# Altium PCB BB.PcbDoc (part 5 of 5)
Units mil, origin at the board's own origin, x right, y up, seen from the top; angles counter-clockwise.
Board outline 6700 x 3500 mil, 4 copper layers (Component Side, Ground Plane, Power Plane, Solder Side), stack 61.197 mil thick; 420 components, 358 nets, 1634 pads, 962 vias.
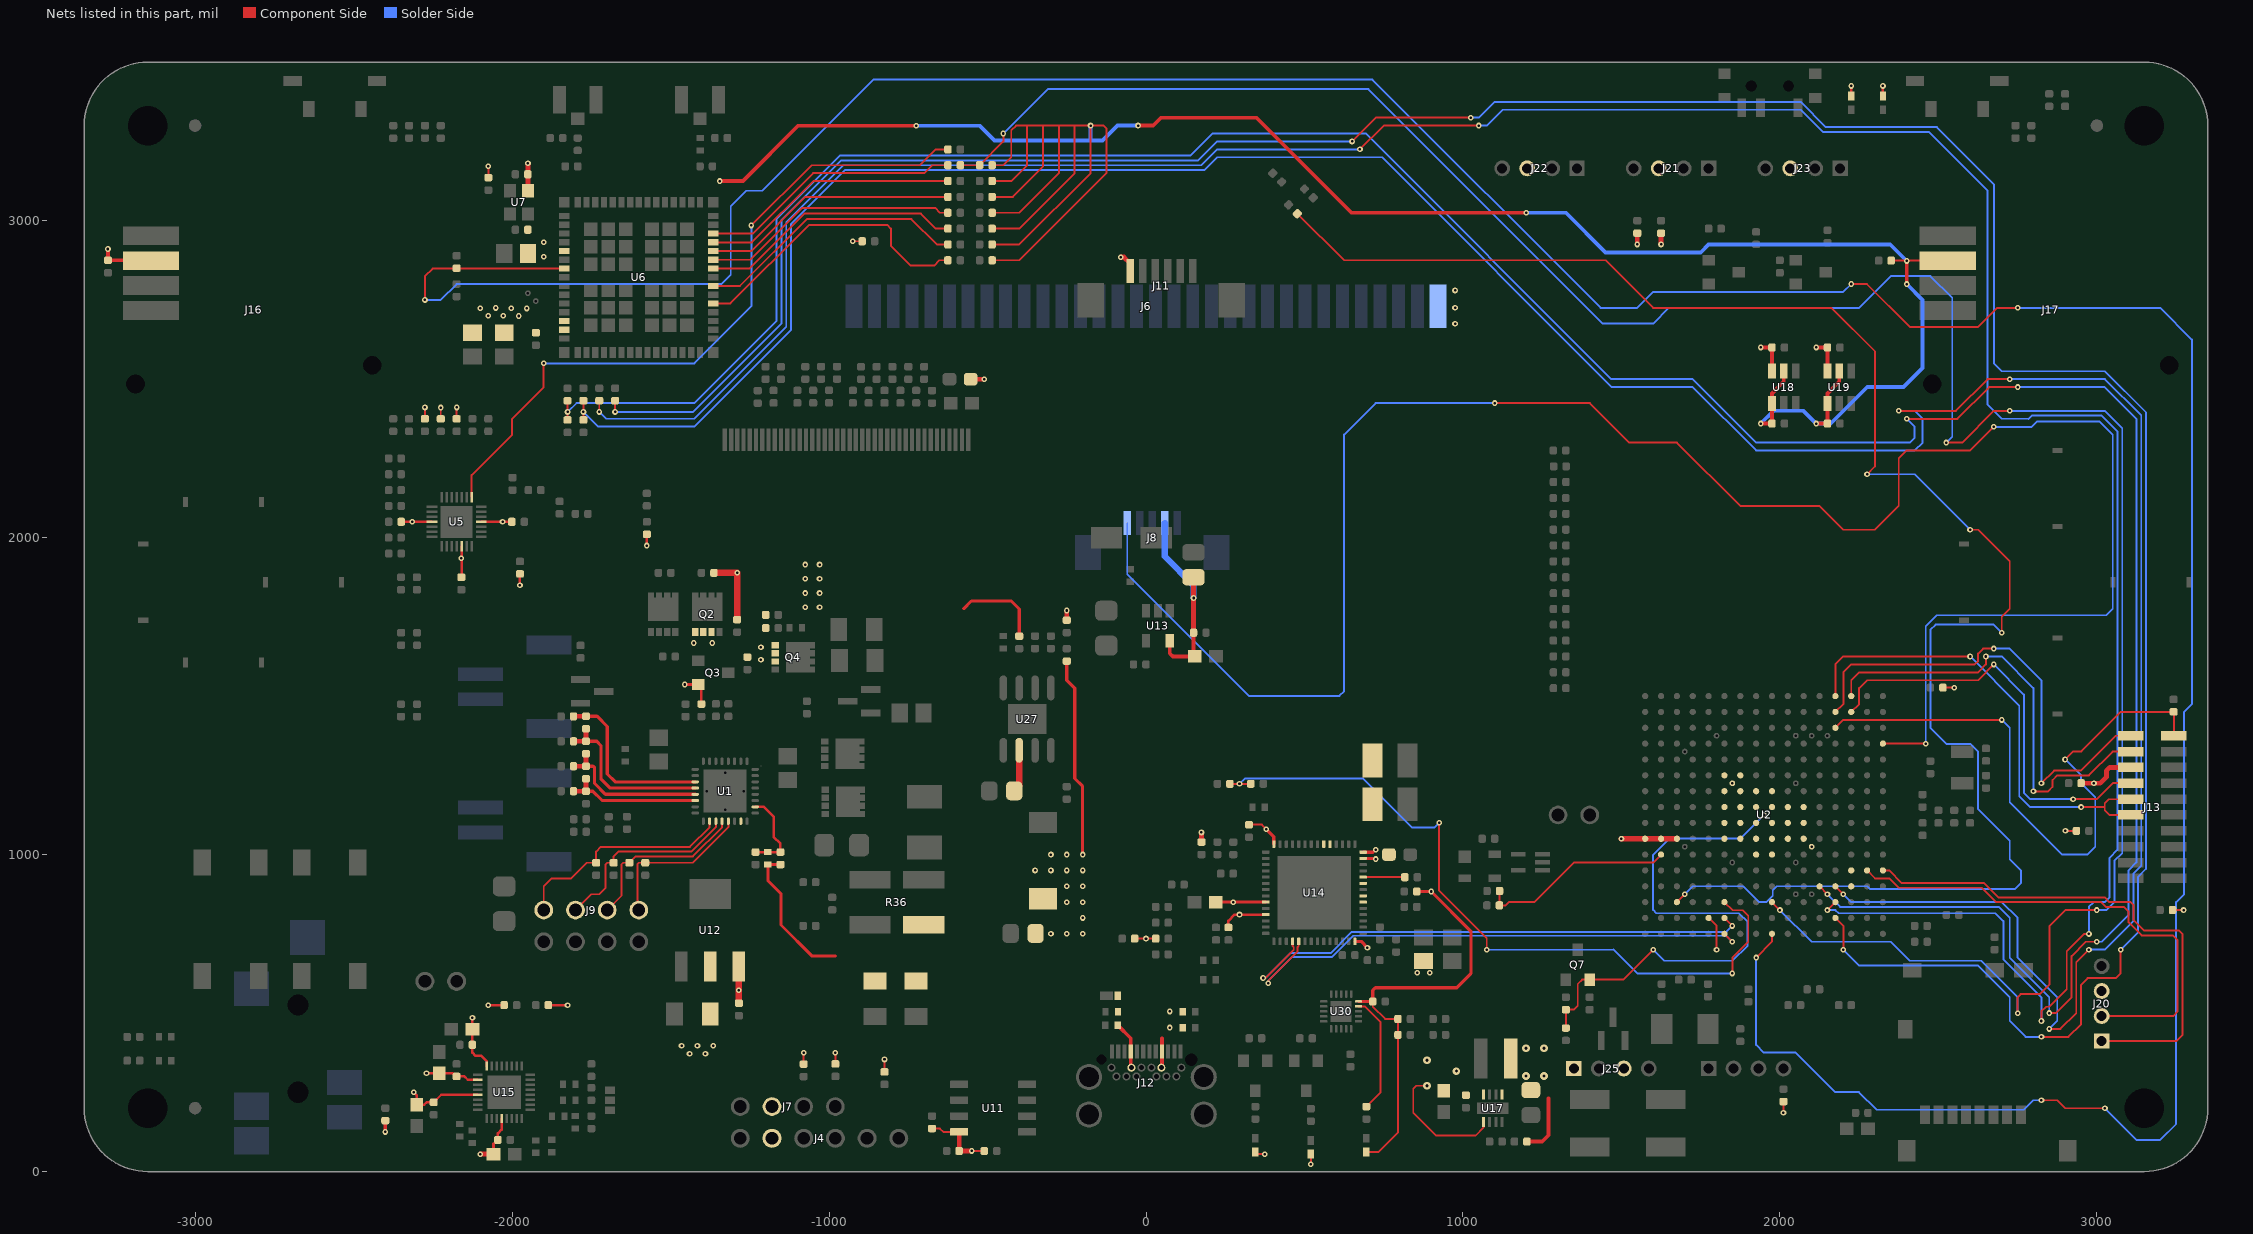
[diagram p7: the nets of this part, all layers, seen from the top]

## Via types
v1: diameter 18, hole 8, Component Side to Solder Side, tented both sides, 907 vias
v2: diameter 19.68, hole 8, Component Side to Solder Side, 32 vias
v3: diameter 24, hole 10, Component Side to Solder Side, tented both sides, 9 vias
v4: diameter 18, hole 8, Component Side to Solder Side, 6 vias
v5: diameter 19.68, hole 7.87, Component Side to Solder Side, 4 vias
v6: diameter 19.68, hole 8, Component Side to Solder Side, tented both sides, 4 vias

## Nets (pads, with @x,y where several pads share a name; then routed paths per layer and width w, separated by ;. In a path a pad name is that pad's centre, name@x,y a point inside that pad or via, vN(x,y) a via of type N, cw(c..) or ccw(c..) an arc to the next point about the centre after c; other vN are vias at no path point) (continued)
SYS_VDD3_3P3V: Q7.2 R46.2 R47.2 T10.1 U2.F8 U2.F9 U2.G8 U2.H7 U2.H8 U2.H9 U2.J7 U2.J8 U2.J9 U2.K8 U2.K9 U2.L8 U2.L9 | length 1748.6
  Component Side w6: R47.2@1324.66,452.83 R46.2@1324.66,510.63 1350.14,510.63 1362.26,522.76 1362.26,591.7 1375.88,605.32 Q7.2@1399.66,605.32 1505.32,605.32 v1(1600,700)
  Solder Side w6: v1(1600,700) 1635,665 1850,665 1897.76,712.76 1897.76,787.44 1870.2,815 1610,815 1599.8,825.2 1599.8,999.21 1650.93,1050.33 1875.33,1050.33 T10.1@1950,1125
SYS_VDD_1P8V: T16.1 U2.F10 U2.G9 U2.G10 U2.H10 U2.H11 U2.J10 U2.J11 U2.K10 U2.L10
SYS_VOUT: T6.1 U2.K6 U2.K7 U2.L6 U2.L7
SYSPRES: U1.15
TCK: J13.9 J13.11 U2.D1 | length 1507.7
  Component Side w6: U2.D1@2175,1500 2175,1600.34 2199.67,1625 v1(2599.9,1625) ; v1(2950,1150) 3025,1150 ; J13.11@3100,1124.67 3040.33,1124.67 3025,1140 3025,1150 ; J13.9@3100,1174.67 3038.13,1174.67 3025,1161.54 3025,1150
  Solder Side w6: v1(2599.9,1625) 2755,1469.9 2755,1184.73 2789.73,1150 v1(2950,1150)
TDI: J13.3 U2.C1 | length 1409
  Component Side w6: U2.C1@2225,1500 2225,1550 2250,1575 2625,1575 2650,1600 v1(2650,1625) ; v1(2800,1199.67) 2846.27,1199.67 2860,1213.39 2860,1235 2875,1250 2975,1250 3049.67,1324.67 J13.3@3107.09,1324.67
  Solder Side w6: v1(2650,1625) 2700,1625 2800,1525 v1(2800,1199.67)
TDO: J13.7 U2.C2 | length 1345.7
  Component Side w6: U2.C2@2225,1450 2250,1475 2250,1525 2275,1550 2625,1550 v1(2675,1600) ; v1(2925,1175) 2999.33,1175 2999.67,1174.67 3050.33,1225.33 3099.33,1225.33 J13.7@3100,1224.67
  Solder Side w6: v1(2675,1600) 2770,1505 2770,1195 2790.33,1174.67 2790.67,1175 v1(2925,1175)
TMS: J13.1 U2.D2 | length 1515.9
  Component Side w6: U2.D2@2175,1450 2200,1475 2200,1575.1 2224.9,1600 2614.37,1600 2625,1610.63 2625,1634.07 2640.93,1650 v1(2675,1650) ; v1(2825,1225) 2865,1265 2949.67,1265 3059.67,1375 J13.1@3107.09,1375
  Solder Side w6: v1(2675,1650) 2725,1650 2825,1550 v1(2825,1225)
TOUCH_INT_N: R127.1 U5.22 | length 2220.7
  Component Side w6: U5.22@-2127.76,2127.76 -2127.76,2197.24 -2000,2325 -2000,2375 -1900.26,2474.74 v1(-1900.26,2550) ; v1(-1245,2985) -1055,3175 -713.21,3175 -663.31,3224.9 R127.1@-625,3224.9
  Solder Side w6: v1(-1900.26,2550) -1425,2550 -1245,2730 v1(-1245,2985)
TOUCH_PAD_INT: J8.5 U2.A4 | length 6367.7
  Component Side w6: v1(1100,2424.67) 1400.33,2424.67 1525.15,2299.85 1675.23,2299.85 1875.08,2100 2124.67,2100 2199.67,2025 2299.59,2025 2375,2100.41 2375,2250 2400,2275 2600.39,2275 v1(2675,2349.61) ; U2.A4@2325,1350 v1@2460,1350
  Solder Side w6: J8.5@-59.06,2046.26 -59.06,1884.13 324.69,1500.39 610.39,1500.39 625,1515 625,2325 724.67,2424.67 v1(1100,2424.67) ; v1(2460,1349.67) 2460,1719.83 2495.17,1755 3030,1755 3050,1775 3050,2325 3008,2367 2812,2367 2794.61,2349.61 v1(2675,2349.61)
TOUCH_RESET_N: R126.1 U2.P14 | length 5571.6
  Component Side w6: R126.1@477.64,3022.16 624.8,2875 1450,2875 1600,2725 2162.64,2725 2300,2587.64 2300,2225 v1(2275,2200) ; U2.P14@1675,850 v1(1700,875) ; v1(2600,2025) 2625,2025 2725,1925 2725,1776.05 2700,1751.05 v1(2700,1700)
  Solder Side w6: v1(1700,875) 1725,900 1885,900 1934.8,850.2 1957.12,850.2 1977.55,870.62 1977.55,887.55 1990,900 2275.02,900 2283.29,891.73 2741.73,891.73 2760,910 2760,950 2725,985 2725,1043.11 2625,1143.11 2625,1324.67 2600.24,1349.43 2525.24,1349.43 2475,1399.67 2475,1709.83 2490.92,1725.75 2674.25,1725.75 v1(2700,1700) ; v1(2275,2200) 2425,2200 v1(2600,2025)
TRSTN: J13.2 R183.1 U2.D3 | length 1948.1
  Component Side w6: U2.D3@2174.67,1400 2199.43,1424.76 v1(2700,1424.76) ; v1(2899.67,1300.02) 2924.98,1325.33 2951,1325.33 3076,1450.33 R183.1@3242.09,1450.33 ; J13.2@3242.91,1375 R183.1@3242.91,1449.51
  Solder Side w6: v1(2700,1424.76) 2725,1399.76 2725,1165 2890,1000 2970,1000 2995,1025 2995,1180.37 2950.03,1225.33 2950.03,1249.65 v1(2899.67,1300.02)
TS1: J9.1 R38.1 U1.10 | length 715.1
  Component Side w6: J9.1@-1900,825 -1900,900 -1875,925 -1814.06,925 -1764.8,974.25 R38.1@-1734.8,974.25 -1734.8,1009.25 -1719.8,1024.25 -1438.82,1024.25 -1376.89,1086.18 U1.10@-1376.89,1105.51
TS2: J9.2 R39.1 U1.11 | length 625.4
  Component Side w6: J9.2@-1800,825 -1750,875 -1725,875 -1704.8,895.2 -1704.8,969.25 -1699.8,974.25 R39.1@-1679.8,974.25 -1679.8,994.25 -1664.8,1009.25 -1434.13,1009.25 -1357.2,1086.18 U1.11@-1357.2,1105.51
TS3: J9.3 R40.1 U1.12 | length 548
  Component Side w6: J9.3@-1700,825 -1654.8,870.2 -1654.8,969.25 -1649.8,974.25 R40.1@-1629.8,974.25 -1609.8,994.25 -1429.45,994.25 -1337.52,1086.18 U1.12@-1337.52,1105.51
TS4: J9.4 R41.1 U1.13 | length 474.7
  Component Side w6: J9.4@-1604.8,849.25 -1604.8,969.25 -1599.8,974.25 R41.1@-1579.8,974.25 -1429.76,974.25 -1370.35,1033.66 -1317.83,1086.18 U1.13@-1317.83,1105.51
UART0_CTSN: U2.C12
UART0_RTSN: U2.C13
UART0_RX: J20.1 U2.A12 | length 1637.6
  Component Side w6: U2.A12@2325,950 2345,950 2385,910 2644.61,910 2689.61,865 3024.76,865 3039.68,850.08 3106.38,850.08 3115.04,841.42 3115.04,794.94 3149.98,760 3260,760 3270,750 3270,430 3251.89,411.89 J20.1@3015,411.89
UART0_TX: J20.2 U2.B12 | length 1562.1
  Component Side w6: U2.B12@2275,950 2300,925 2345.35,925 2375,895.35 2636.61,895.35 2681.89,850.08 3013.46,850.08 3028.54,835 3085.39,835 3100,820.39 3100,786.26 3141.26,745 3240,745 3255,730 3255,505 3240.63,490.63 J20.2@3015,490.63
UART3_CTSN: R72.1 R77.2 U2.E13 | length 9174.9
  Component Side w6: R77.2@-1825,2371.44 v1(-1825,2396.44) R72.1@-1825,2432.07 ; U2.E13@2125,900 v1(2150,875) ; v1(2400,2374.69) 2559.69,2374.69 2660,2475 v1(2750,2475) ; v1(2849.67,500) 2870.63,500 2920,549.37 2920,680 2965,725 v1(3000,725)
  Solder Side w6: v1(-1825,2396.44) -1796.77,2424.67 -1425.33,2424.67 -1165.2,2684.8 -1165.2,3005.97 -966.16,3205 140,3205 210.26,3275.26 693.03,3275.26 1468.28,2500 1725,2500 1925.15,2299.85 2410,2299.85 2425.08,2314.93 2425.08,2349.61 v1(2400,2374.69) ; v1(2150,875) 2190,835 2690,835 2725,800 2725,675 2849.67,550.33 v1(2849.67,500) ; v1(2750,2475) 3025,2475 3125,2375 3125,975.37 3100,950.37 3100,810.12 3014.88,725 v1(3000,725)
UART3_RTSN: R73.1 R78.2 U2.D13 | length 9394.9
  Component Side w6: R78.2@-1775,2371.44 v1(-1775,2396.44) R73.1@-1775,2432.07 ; U2.D13@2175,900 v1(2200,875) ; v1(2375,2400) 2555,2400 2655,2500 v1(2725,2500) ; v1(2849.67,450) 2885,450 2935,500 2935,660 v1(2975,700)
  Solder Side w6: v1(-1775,2396.44) -1728.56,2350 -1425,2350 -1120.2,2654.8 -1120.2,2989.14 -949.34,3160 185,3160 225,3200 745,3200 1470,2475 1724.85,2475 1924.85,2275 2425.08,2275 2450,2299.92 2450,2375 2425,2400 v1(2375,2400) ; v1(2200,875) 2224.92,850.08 2700,850.08 ; 2700,850 2750,800 2750,675 2875,550 2875,475.33 v1(2849.67,450) ; v1(2725,2500) 3025.33,2500 3140,2385.33 3140,964.95 3115,939.95 3115,790 3025,700 v1(2975,700)
UART3_RXD: R71.1 U2.D14 | length 9220.7
  Component Side w6: v1(-1725,2396.44) R71.1@-1725,2432.07 ; v1(675,3224.9) 750.1,3300 v1(1050,3300) ; v1(2150,825) U2.D14@2175,850 ; v1(2825,475) 2825,505 2840,520 2850.16,520 2905,574.84 2905,695 2959.55,749.55 v1(2974.9,749.55)
  Solder Side w6: v1(-1725,2396.44) -1703.56,2375 -1425,2375 -1135,2665 -1135,2995.46 -955.46,3175 175,3175 224.9,3224.9 v1(675,3224.9) ; v1(1050,3300) 1075,3300 1125,3350 2065,3350 2135,3280 2469.9,3280 2655,3094.9 2655,2420 2700,2375 2784.37,2375 2784.69,2374.69 2795,2385 3015.02,2385 3065,2335.02 3065,1015 3040,990 3040,865 3025.2,850.2 2990.2,850.2 2974.9,834.9 v1(2974.9,749.55) ; v1(2150,825) 2175,825 2185,815 2680,815 2705,790 2705,670 2825,550 v1(2825,475)
UART3_TXD: R70.1 U2.D15 | length 9301.1
  Component Side w6: v1(-1675,2396.44) R70.1@-1675,2432.07 ; v1(650,3250) 725,3325 v1(1025,3325) ; U2.D15@2175,800 2200,775 v1(2200,700) ; v1(2825,425) 2910,425 2950,465 2950,589.21 2970.79,610 3060,610 3075.16,625.16 v1(3075.16,700)
  Solder Side w6: v1(-1675,2396.44) -1428.76,2396.44 -1150.2,2675 -1150.2,3001.15 -961.34,3190 165,3190 225,3250 v1(650,3250) ; v1(1025,3325) 1050,3325 1100,3375 2065,3375 2145,3295 2495,3295 2675,3115 2675,2550 2700,2525 3025.33,2525 3155,2395.33 3155,955 3130,930 3130,754.84 v1(3075.16,700) ; v1(2200,700) 2250,650 2625,650 2725,550 2725,475 2775,425 v1(2825,425)
USB_2P0_N: U2.L16 U14.5 | length 1745.8
  Component Side w6: v4(385.54,594.39) 385.54,602.17 478.2,694.83 478.2,707.91 482.05,711.75 U14.5@482.05,726.06 ; U2.L16@1825,750 v1(1850,725)
  Solder Side w6: v4(385.54,594.39) 385.54,602.17 460.86,677.49 587.49,677.49 654,744 1831,744 v1(1850,725)
USB_2P0_P: U2.L15 U14.4 | length 1745.8
  Component Side w6: v4(369.28,610.66) 377.06,610.66 466.2,699.8 466.2,707.91 462.36,711.75 U14.4@462.36,726.06 ; U2.L15@1825,800 v1(1850,775)
  Solder Side w6: v4(369.28,610.66) 377.06,610.66 452.37,685.97 455.89,689.49 582.52,689.49 643.22,750.19 649.03,756 1831,756 v1(1850,775)
USB_3V3: C96.2 C101.2 C125.2 J4.2 J7.2 LED14.1 R42.1 R43.1 R54.2 R58.1 R59.1 R138.1 R139.1 R147.1 R150.1 R155.2 R157.1 R158.1 U11.8 U14.42 U14.51 U30.10 | length 2075.2
  Component Side w6: R58.1@-1080,339.06 v1(-1080,374.68) ; R59.1@-980,339.57 v1(-980,375.2) ; R138.1@-825,314.37 v1(-825,353.74) ; R43.1@-674.42,135.32 -650,135.32 -639.68,125 U11.8@-589.57,125 U11.8@-589.49,125 ; C96.2@-589.57,65 C96.2@-589.49,64.92 ; v1(-549.57,64.92) R42.1@-510,64.92 ; R139.1@-35.84,735 v1(0,735) R54.2@30.63,735 ; R150.1@325,1094.37 365.71,1094.37 v1(379.69,1080.39) ; LED14.1@695,61.69 733.72,61.69 795,122.97 R157.1@795,431.38 R158.1@795,481.38 754.25,481.38 715.32,520.31 C125.2@715.31,536.5
  Component Side w8: U30.10@670.43,536.5 C125.2@715.31,536.5
  Component Side w10: C101.2@220,850.08 v1(275.35,850.08) U14.51@377.72,850.08 ; v1(379.69,1080.39) 403.31,1056.77 U14.42@403.31,1033.15 ; C125.2@715.31,536.5 715.32,571.65 723.66,580 980.39,580 1025,624.61 1025,758.54 v1(900,883.54) R155.2@854.37,883.54
  Component Side w15: C96.2@-589.49,64.92 v1(-549.57,64.92) ; C96.2@-589.49,65.08 U11.8@-589.49,125 ; R147.1@175,1039.58 v1(175,1070)
USB_FLT_N: R172.2 U30.9 | length 374.8
  Component Side w6: U30.9@670.43,520.75 690,520.75 740.32,470.43 740.32,250.08 R172.2@695.24,205
USB_OTG_ID: R136.1 R137.2 U2.L14 | length 2337.6
  Component Side w6: R137.2@264.65,1223.27 v1(294.96,1223.27) R136.1@330.59,1223.27 ; v1(925,1100) 925,886.65 1075,736.65 v1(1075,699.8) ; U2.L14@1825,850 1850.51,824.49 1883.02,824.49 1900,807.51 1900,724.98 1850,674.98 v1(1850,625)
  Solder Side w6: v1(294.96,1223.27) 311.69,1240 685,1240 840,1085 910,1085 v1(925,1100) ; v1(1075,699.8) 1474.8,699.8 1475,700 1550,625 v1(1850,625)
USB_RST_IN: R154.1 U14.24 | length 131.9
  Component Side w6: U14.24@684.8,928.82 R154.1@816.69,928.82
USB_RST_OUT_N: U14.21
USB_V5P0: C90.2 U14.14 U14.27 U14.28 | length 110.5
  Component Side w10: U14.14@659.21,726.06 678.9,726.06 v1(698.58,706.38) ; U14.27@684.8,987.87 v1@716.3,987.87 ; U14.28@684.8,1007.56 716.3,1007.56
  other v1: 725,985.91 725,1015
USBC_DBG0: U14.23
USBC_DBG1: U14.20
V1P8: C14.2 C29.2 C42.2 C57.2 C71.2 C72.2 C85.2 C87.2 C113.2 C115.2 J16.2 J17.2 R74.1 R79.1 R80.1 R81.1 R82.1 R83.1 R84.1 R85.1 U6.38 U7.4 U12.2 U15.21 U18.1 U18.5 U19.1 U19.5 | length 9367.9
  Component Side w6: J16.2@-3140.73,2875 J16.2@-3139.75,2874.02 ; R74.1@-2075,3135.81 v1(-2075,3171.44) ; R83.1@-485.63,2875 -400.08,2875 -125,3150.08 -125,3291.18 -133.82,3300 v1(-175,3300) ; R84.1@-485.63,2925.04 -400,2925 -175,3150 v1(-175,3300) ; R82.1@-485.63,2975 -400,2975 -225,3150 -225,3300 ; R81.1@-485.63,3025 -400,3025 -275,3150 -275,3300 ; R80.1@-485.63,3075 -420,3075 -325,3170 -325,3300 ; R79.1@-485.63,3125 -425,3125 -375,3175 -375,3300 ; R85.1@-485.63,3175 -450,3175 -425,3200 -425,3285 -410,3300 -375,3300 ; C87.2@2350.98,2874.02 J17.2@2529.55,2874.02 ; -375,3300 -325,3300 ; -325,3300 -275,3300 ; -275,3300 -225,3300 ; -225,3300 v1(-175,3300)
  Component Side w8: v1(-2310,250) -2300.16,240.16 C71.2@-2300.16,210.7 -2277.67,210.7 -2269.94,218.44 C72.2@-2247.34,218.44 -2223.49,242.29 U15.21@-2107.85,242.29
  Component Side w12: v1(-3275,2910.63) C85.2@-3275,2875 J16.2@-3140.73,2875 ; v1(-1345,3125) -1271.83,3125 -1097.07,3299.76 v1(-724.93,3299.76) ; v1(-25,3300) 23.03,3300 48.03,3325 348.03,3325 648.03,3025 v1(1200,3025) ; v1(1939.37,2360) C115.2@1974.88,2360 ; C115.2@1975,2360 C115.2@1974.88,2360 ; U18.5@2012.28,2525 2012.28,2492.4 1974.88,2455 U18.1@1974.88,2422.64 C115.2@1974.88,2360 ; v1(2114.37,2360) C113.2@2150,2360 U19.1@2150,2422.64 2150,2455 2187.4,2492.4 U19.5@2187.4,2525 ; v1(2400,2800) v1(2400,2873.03)
  Component Side w15: U7.4@-1950,3094.27 C42.2@-1950,3146.44 v1(-1950,3181.44)
  Solder Side w12: v1(-724.93,3299.76) -524.84,3299.76 -477.8,3252.72 -175,3252.72 ; v1(-175,3300) -175,3252.72 ; v1(-25,3300) -89.76,3300 -137.04,3252.72 -175,3252.72 ; v1(1200,3025) 1324.98,3025 1449.98,2900 1750,2900 1775,2925 2348.03,2925 v1(2400,2873.03) ; v1(1939.37,2360) 1979.37,2400 2074.37,2400 v1(2114.37,2360) 2160.41,2360 2275.41,2475 2390,2475 2450,2535 2450,2750 v1(2400,2800)
  other v1: -1440.2,371.65 -1390,371.65 -1465.3,396.75 -1415.1,396.75 -1364.9,396.75 -1900,2886.44 -1900,2931.67
V3P3: C8.2 C9.2 C10.2 C11.2 C12.2 C13.2 C73.2 C76.2 C77.2 C78.2 C91.2 C102.2 C105.2 C112.2 C114.2 J11.1 J13.5 J20.3 J21.3 J22.3 J23.3 J25.1 J25.3 L8.2 L9.2 LED1.1 LED3.1 LED4.1 LED7.1 R44.2 R49.1 R50.1 R56.1 R57.1 R68.1 R69.1 R95.1 R96.1 R104.1 R130.1 R140.1 R165.1 R171.1 R181.1 R182.1 U5.4 U5.12 U5.18 U6.46 U6.47 U14.53 U15.16 U15.28 U17.5 U18.6 U19.6 | length 2159.8
  Component Side w6: R50.1@-2275,2375 v1(-2275,2410.63) ; R49.1@-2225,2374.69 v1(-2225,2410.32) ; R68.1@-2175,2375 v1(-2175,2410.63) ; v1(-925,2935) R44.2@-895.67,2935 ; LED1.1@344.76,61.69 351.46,55 v1(375,55) ; v1(520,23.31) LED4.1@520,55 ; v1(2011.22,185.1) R140.1@2011.22,220.63 ; R171.1@2514.37,1526.65 v1(2550,1526.65) ; v1(2900.75,1075) R181.1@2935.63,1075 ; R182.1@3238.74,825 v1(3273.62,825)
  Component Side w8: C8.2@-2349.25,2050 U5.4@-2252.76,2050 ; C9.2@-2160,1875 -2159.25,1875.75 U5.12@-2159.25,1972.24 ; v1(-2125,485) C73.2@-2125,448.86 C78.2@-2125,400 -2125,375 -2115,365 -2096.77,365 -2080.3,348.52 U15.16@-2080.3,332.84 ; U5.18@-2097.24,2050 C10.2@-2000.75,2050 ; v1(-2075.32,525) R57.1@-2025.18,525 ; C77.2@-2058.64,55 -2058.64,86.99 -2044.86,100.77 -2044.86,120.49 -2033.05,132.3 U15.28@-2033.05,167.48 ; v1(-1975.18,1850) R69.1@-1975.18,1885.63 ; R56.1@-1885.63,525 v1(-1825,525) ; v1(-1574.67,1975) R104.1@-1574.67,2010.63 ; C102.2@260,770 260,790.87 279.84,810.71 v1(295,810.71) U14.53@377.72,810.71 ; LED7.1@2225,3393.31 v1(2225,3425) ; LED3.1@2325,3393.31 v1(2325,3425)
  Component Side w12: v1(-2400,125) R130.1@-2400,160.63 ; R165.1@1201.66,94.61 1249.92,94.61 1269.82,114.51 1269.82,230.65 ; v1(1939.37,2600) C112.2@1975,2600 U18.6@1975,2537.36 ; v1(2114.37,2600) C114.2@2150,2600 U19.6@2150,2537.36
  Component Side w15: v1(-2100,55) C77.2@-2058.64,55 ; L8.2@-553.15,2500 v1(-510,2500) ; v1(-80,2885) -69.45,2885 -50.08,2865.63 J11.1@-50.08,2841.54 ; v1(1550,2925) R96.1@1550,2960.63 ; v1(1625,2925) R95.1@1625,2960.63 ; C91.2@2950.94,1225 v1(2990.67,1225) 3010.41,1224.91 3029.98,1244.3 3030.07,1263.97 3041.17,1274.97 3060.83,1274.88 J13.5@3107.09,1274.67
  other v1: -2160,1935 -2315,2050 -2030,2050 -1978.88,2699.23 -2075.32,2700 -2027.48,2700 -1954.19,2723.15 -2100,2723.92 -2002.79,2723.92 -2051.4,2724.69
  other v3: 1198.74,301.43 1255.75,301.43 1198.74,389.16 1255.75,389.16
V5P0: C31.2 C47.2 C48.2 C79.2 C80.2 C103.2 C104.2 C108.2 C109.2 J6.1 J8.2 L7.1 L16.1 R167.1 T5.1 U2.M15 U2.P10 U2.R10 U2.T10 U12.3 U13.5 U15.18 U17.1 U17.8 | length 2283.3
  Component Side w6: v3(886.7,270.76) 853.09,270.76 843.03,260.7 843.03,185.7 915.34,113.39 1039.57,113.39 1064.37,138.19 U17.1@1064.37,156.3 ; U2.M15@1775,800 1800,775 v1(1800,700)
  Component Side w8: v1(-2270,310) C79.2@-2230,310 -2186.93,310 -2176.93,300 C80.2@-2175,300 -2150.31,300 -2139.85,289.53 U15.18@-2107.85,289.53
  Component Side w10: R167.1@-250.08,1739.37 R167.1@-250,1739.37 ; C108.2@-250,1610.63 -250,1550 -225,1525 -225,1240 -200,1215 v1(-200,1000)
  Component Side w12: U13.5@74.92,1675 74.92,1634.92 84.84,1625 149.92,1625 C48.2@149.92,1700
  Component Side w15: R167.1@-250,1735.75 -250,1739.37 v1(-250,1770.08) ; C48.2@149.92,1700 v1(149.92,1809.53) L7.1@149.92,1875
  Component Side w18: T5.1@1500,1050 U2.R10@1625,1050 U2.P10@1675,1050
  Component Side w20: C31.2@-1284.45,531.18 v1(-1284.45,571.65) U12.3@-1284.45,646.65
  Solder Side w20: J8.2@59.06,2046.26 59.06,1940.94 149.92,1850.08 v1(149.92,1809.53)
  other v1: -300,750 -250,750 -200,750 -200,800 -250,850 -200,850 -250,900 -200,900 -350,950 -300,950 -250,950 -200,950 -300,1000 -250,1000 975,2675 975,2725 975,2780
  other v3: 979.22,317.02 886.7,351.15
V_USB_HV: C88.2 C89.2 Q3.2 Q4.1 Q4.2 Q4.3 R24.1 R26.1 R27.1 R28.1 U14.33 U14.34 | length 103.9
  Component Side w8: R24.1@-1402.68,1475 Q3.2@-1402.68,1535.63
  Component Side w10: v1(-1455.63,1536.61) Q3.2@-1412.32,1536.61
  other v1: -1214.8,1614.25 -1214.8,1654.25
VBUS: C121.2 C122.2 C123.2 C124.2 D7.1 J12.A4 J12.A9 J12.B4 J12.B9 L4.1 | length 243
  Component Side w12: C124.2@-88.74,461.06 -48.11,420.43 J12.A4@-48.11,379.21 J12.B9@-48.11,327.64 ; J12.B4@50.31,327.64 J12.A9@50.31,379.21 50.31,420.43
  other v1: 74.92,454.21 75,505 856.06,627.64 895.43,627.64
VC1: C21.1 C24.2 R31.2 U1.6 | length 435.7
  Component Side w10: C24.2@-1766.85,1200 -1745.55,1200 -1716.02,1170.47 U1.6@-1422.17,1170.47
  Component Side w15: R31.2@-1806.22,1200 C24.2@-1766.85,1200 C21.1@-1766.85,1239.37
VC2: C20.1 C21.2 R29.2 U1.5 | length 489.4
  Component Side w10: C21.2@-1766.85,1278.74 -1744.29,1278.74 -1739.8,1274.25 -1739.8,1224.25 -1705.71,1190.16 U1.5@-1422.17,1190.16
  Component Side w15: R29.2@-1806.22,1278.74 C21.2@-1766.85,1278.74 C20.1@-1766.85,1318.11
VC3: C17.1 C20.2 R25.2 U1.4 | length 546.1
  Component Side w10: C20.2@-1766.85,1357.48 -1733.03,1357.48 -1719.8,1344.25 -1719.8,1239.25 -1690.39,1209.84 U1.4@-1422.17,1209.84
  Component Side w15: R25.2@-1806.22,1357.48 C20.2@-1766.85,1357.48 C17.1@-1766.85,1396.85
VC4: C17.2 R21.2 U1.3 | length 557.5
  Component Side w10: C17.2@-1766.85,1436.22 -1731.77,1436.22 -1699.8,1404.25 -1699.8,1254.25 -1675.08,1229.53 U1.3@-1422.17,1229.53
  Component Side w15: R21.2@-1806.22,1436.22 C17.2@-1766.85,1436.22
VFB: C38.1 R37.2 R67.1 U1.18 | length 270.9
  Component Side w8: U1.18@-1233.19,1150.79 -1205.79,1150.79 -1175,1120 -1175,1056.06 -1153.25,1034.31 R37.2@-1153.25,1007.76 R67.1@-1231.99,1007.76
VSYS: C16.1 C36.1 C37.1 C38.2 C107.2 Q2.1 Q2.2 Q2.3 R19.1 R36.1 R37.1 R135.2 U27.2 | length 1100.7
  Component Side w10: R37.1@-1153.25,968.39 C38.2@-1192.62,968.39 -1192.62,917.62 -1151.57,876.57 -1151.57,777.95 -1053.15,679.53 -980,679.53 ; -575,1776.05 -551.05,1800 -425,1800 -400,1775 R135.2@-400,1689.37